# KiCad board distribution.kicad_pcb (continued)
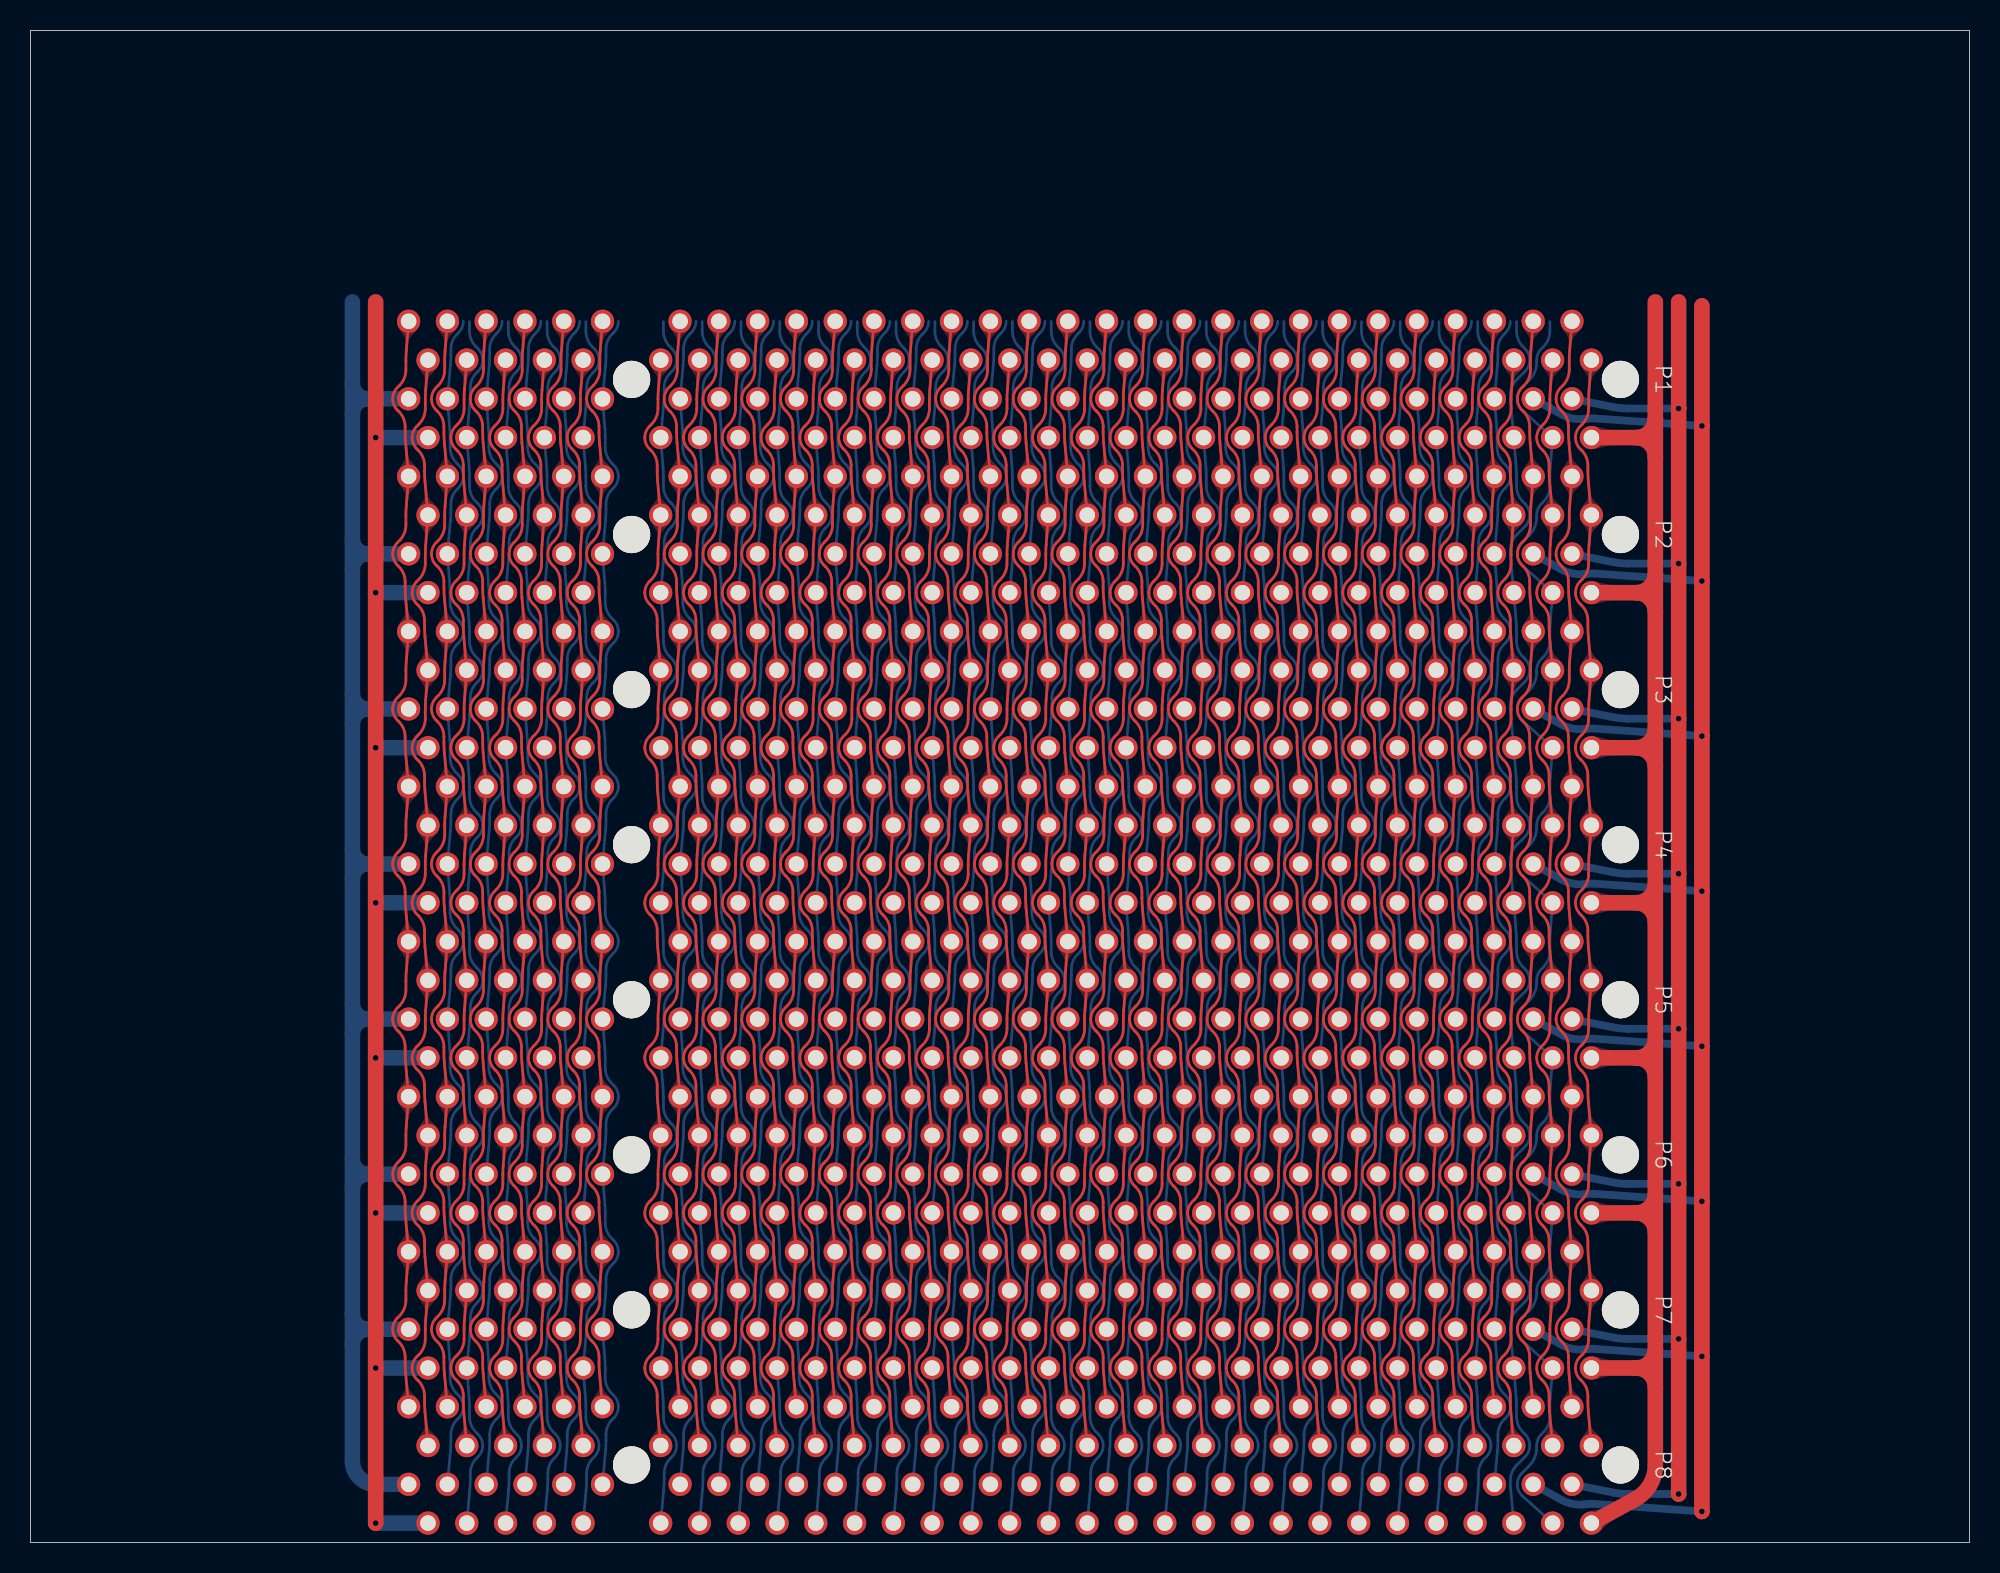
[diagram p0: board, top side]
## Routing (per net, layer and track width the routed paths; a pad name or vN(x,y) marks a point on that pad's centre or on a via; arc(x,y) is an arc through that point) (continued)
~{S2}: length 79.9
  Bottom w0.178: P8.A54 35.12,6.01 arc(35.15,6.35) 35.15,6.69 35.15,7.07 arc(35.26,7.6) 35.56,8.05 35.66,8.15 arc(35.89,8.49) 35.97,8.89 arc(35.89,9.29) 35.66,9.63 35.53,9.75 arc(35.22,10.23) 35.1,10.8 35.1,11.41 arc(35.1,11.71) 35.08,12.01 P7.A54 35.12,16.17 arc(35.15,16.51) 35.15,16.85 35.15,17.23 arc(35.26,17.76) 35.56,18.21 35.66,18.31 arc(35.89,18.65) 35.97,19.05 arc(35.89,19.45) 35.66,19.79 35.53,19.91 arc(35.22,20.39) 35.1,20.96 35.1,21.57 arc(35.1,21.87) 35.08,22.17 P6.A54 35.12,26.33 arc(35.15,26.67) 35.15,27.01 35.15,27.39 arc(35.26,27.92) 35.56,28.37 35.66,28.47 arc(35.89,28.81) 35.97,29.21 arc(35.89,29.61) 35.66,29.95 35.53,30.07 arc(35.22,30.55) 35.1,31.12 35.1,31.73 arc(35.1,32.03) 35.08,32.33 P5.A54 35.12,36.49 arc(35.15,36.83) 35.15,37.17 35.15,37.55 arc(35.26,38.08) 35.56,38.53 35.66,38.63 arc(35.89,38.97) 35.97,39.37 arc(35.89,39.77) 35.66,40.11 35.53,40.23 arc(35.22,40.71) 35.1,41.28 35.1,41.89 arc(35.1,42.19) 35.08,42.49 P4.A54 35.12,46.65 arc(35.15,46.99) 35.15,47.33 35.15,47.71 arc(35.26,48.24) 35.56,48.69 35.66,48.79 arc(35.89,49.13) 35.97,49.53 arc(35.89,49.93) 35.66,50.27 35.53,50.39 arc(35.22,50.87) 35.1,51.44 35.1,52.05 arc(35.1,52.35) 35.08,52.65 P3.A54 35.12,56.81 arc(35.15,57.15) 35.15,57.49 35.15,57.87 arc(35.26,58.4) 35.56,58.85 35.66,58.95 arc(35.89,59.29) 35.97,59.69 arc(35.89,60.09) 35.66,60.43 35.53,60.55 arc(35.22,61.03) 35.1,61.6 35.1,62.21 arc(35.1,62.51) 35.08,62.81 P2.A54 35.12,66.97 arc(35.15,67.31) 35.15,67.65 35.15,68.03 arc(35.26,68.56) 35.56,69.01 35.66,69.11 arc(35.89,69.45) 35.97,69.85 arc(35.89,70.25) 35.66,70.59 35.53,70.71 arc(35.22,71.19) 35.1,71.76 35.1,72.37 arc(35.1,72.67) 35.08,72.97 P1.A54 35.12,77.13 arc(35.15,77.47) 35.15,77.81 35.15,78.19 arc(35.26,78.72) 35.56,79.17 35.66,79.27 arc(35.89,79.61) 35.97,80.01
~{S3}: length 79.9
  Bottom w0.178: P8.A42 50.36,6.01 arc(50.39,6.35) 50.39,6.69 50.39,7.07 arc(50.5,7.6) 50.8,8.05 50.9,8.15 arc(51.13,8.49) 51.21,8.89 arc(51.13,9.29) 50.9,9.63 50.77,9.75 arc(50.46,10.23) 50.34,10.8 50.34,11.41 arc(50.34,11.71) 50.32,12.01 P7.A42 50.36,16.17 arc(50.39,16.51) 50.39,16.85 50.39,17.23 arc(50.5,17.76) 50.8,18.21 50.9,18.31 arc(51.13,18.65) 51.21,19.05 arc(51.13,19.45) 50.9,19.79 50.77,19.91 arc(50.46,20.39) 50.34,20.96 50.34,21.57 arc(50.34,21.87) 50.32,22.17 P6.A42 50.36,26.33 arc(50.39,26.67) 50.39,27.01 50.39,27.39 arc(50.5,27.92) 50.8,28.37 50.9,28.47 arc(51.13,28.81) 51.21,29.21 arc(51.13,29.61) 50.9,29.95 50.77,30.07 arc(50.46,30.55) 50.34,31.12 50.34,31.73 arc(50.34,32.03) 50.32,32.33 P5.A42 50.36,36.49 arc(50.39,36.83) 50.39,37.17 50.39,37.55 arc(50.5,38.08) 50.8,38.53 50.9,38.63 arc(51.13,38.97) 51.21,39.37 arc(51.13,39.77) 50.9,40.11 50.77,40.23 arc(50.46,40.71) 50.34,41.28 50.34,41.89 arc(50.34,42.19) 50.32,42.49 P4.A42 50.36,46.65 arc(50.39,46.99) 50.39,47.33 50.39,47.71 arc(50.5,48.24) 50.8,48.69 50.9,48.79 arc(51.13,49.13) 51.21,49.53 arc(51.13,49.93) 50.9,50.27 50.77,50.39 arc(50.46,50.87) 50.34,51.44 50.34,52.05 arc(50.34,52.35) 50.32,52.65 P3.A42 50.36,56.81 arc(50.39,57.15) 50.39,57.49 50.39,57.87 arc(50.5,58.4) 50.8,58.85 50.9,58.95 arc(51.13,59.29) 51.21,59.69 arc(51.13,60.09) 50.9,60.43 50.77,60.55 arc(50.46,61.03) 50.34,61.6 50.34,62.21 arc(50.34,62.51) 50.32,62.81 P2.A42 50.36,66.97 arc(50.39,67.31) 50.39,67.65 50.39,68.03 arc(50.5,68.56) 50.8,69.01 50.9,69.11 arc(51.13,69.45) 51.21,69.85 arc(51.13,70.25) 50.9,70.59 50.77,70.71 arc(50.46,71.19) 50.34,71.76 50.34,72.37 arc(50.34,72.67) 50.32,72.97 P1.A42 50.36,77.13 arc(50.39,77.47) 50.39,77.81 50.39,78.19 arc(50.5,78.72) 50.8,79.17 50.9,79.27 arc(51.13,79.61) 51.21,80.01
~{T3}: length 74.6
  Top w0.178: P8.B18 80.45,11.09 arc(80.42,11.43) 80.42,11.77 80.42,12.15 arc(80.31,12.68) 80.01,13.13 79.91,13.23 arc(79.68,13.57) 79.6,13.97 arc(79.68,14.37) 79.91,14.71 80.04,14.83 arc(80.35,15.31) 80.47,15.88 80.47,16.49 arc(80.47,16.79) 80.49,17.09 P7.B18 80.45,21.25 arc(80.42,21.59) 80.42,21.93 80.42,22.31 arc(80.31,22.84) 80.01,23.29 79.91,23.39 arc(79.68,23.73) 79.6,24.13 arc(79.68,24.53) 79.91,24.87 80.04,24.99 arc(80.35,25.47) 80.47,26.04 80.47,26.65 arc(80.47,26.95) 80.49,27.25 P6.B18 80.45,31.41 arc(80.42,31.75) 80.42,32.09 80.42,32.47 arc(80.31,33) 80.01,33.45 79.91,33.55 arc(79.68,33.89) 79.6,34.29 arc(79.68,34.69) 79.91,35.03 80.04,35.15 arc(80.35,35.63) 80.47,36.2 80.47,36.81 arc(80.47,37.11) 80.49,37.41 P5.B18 80.45,41.57 arc(80.42,41.91) 80.42,42.25 80.42,42.63 arc(80.31,43.16) 80.01,43.61 79.91,43.71 arc(79.68,44.05) 79.6,44.45 arc(79.68,44.85) 79.91,45.19 80.04,45.31 arc(80.35,45.79) 80.47,46.36 80.47,46.97 arc(80.47,47.27) 80.49,47.57 P4.B18 80.45,51.73 arc(80.42,52.07) 80.42,52.41 80.42,52.79 arc(80.31,53.32) 80.01,53.77 79.91,53.87 arc(79.68,54.21) 79.6,54.61 arc(79.68,55.01) 79.91,55.35 80.04,55.47 arc(80.35,55.95) 80.47,56.52 80.47,57.13 arc(80.47,57.43) 80.49,57.73 P3.B18 80.45,61.89 arc(80.42,62.23) 80.42,62.57 80.42,62.95 arc(80.31,63.48) 80.01,63.93 79.91,64.03 arc(79.68,64.37) 79.6,64.77 arc(79.68,65.17) 79.91,65.51 80.04,65.63 arc(80.35,66.11) 80.47,66.68 80.47,67.29 arc(80.47,67.59) 80.49,67.89 P2.B18 80.45,72.05 arc(80.42,72.39) 80.42,72.73 80.42,73.11 arc(80.31,73.64) 80.01,74.09 79.91,74.19 arc(79.68,74.53) 79.6,74.93 arc(79.68,75.33) 79.91,75.67 80.04,75.79 arc(80.35,76.27) 80.47,76.84 80.47,77.45 arc(80.47,77.75) 80.49,78.05 P1.B18
~{Tb1}: length 79.9
  Bottom w0.178: P8.A32 63.06,6.01 arc(63.09,6.35) 63.09,6.69 63.09,7.07 arc(63.2,7.6) 63.5,8.05 63.6,8.15 arc(63.83,8.49) 63.91,8.89 arc(63.83,9.29) 63.6,9.63 63.47,9.75 arc(63.16,10.23) 63.04,10.8 63.04,11.41 arc(63.04,11.71) 63.02,12.01 P7.A32 63.06,16.17 arc(63.09,16.51) 63.09,16.85 63.09,17.23 arc(63.2,17.76) 63.5,18.21 63.6,18.31 arc(63.83,18.65) 63.91,19.05 arc(63.83,19.45) 63.6,19.79 63.47,19.91 arc(63.16,20.39) 63.04,20.96 63.04,21.57 arc(63.04,21.87) 63.02,22.17 P6.A32 63.06,26.33 arc(63.09,26.67) 63.09,27.01 63.09,27.39 arc(63.2,27.92) 63.5,28.37 63.6,28.47 arc(63.83,28.81) 63.91,29.21 arc(63.83,29.61) 63.6,29.95 63.47,30.07 arc(63.16,30.55) 63.04,31.12 63.04,31.73 arc(63.04,32.03) 63.02,32.33 P5.A32 63.06,36.49 arc(63.09,36.83) 63.09,37.17 63.09,37.55 arc(63.2,38.08) 63.5,38.53 63.6,38.63 arc(63.83,38.97) 63.91,39.37 arc(63.83,39.77) 63.6,40.11 63.47,40.23 arc(63.16,40.71) 63.04,41.28 63.04,41.89 arc(63.04,42.19) 63.02,42.49 P4.A32 63.06,46.65 arc(63.09,46.99) 63.09,47.33 63.09,47.71 arc(63.2,48.24) 63.5,48.69 63.6,48.79 arc(63.83,49.13) 63.91,49.53 arc(63.83,49.93) 63.6,50.27 63.47,50.39 arc(63.16,50.87) 63.04,51.44 63.04,52.05 arc(63.04,52.35) 63.02,52.65 P3.A32 63.06,56.81 arc(63.09,57.15) 63.09,57.49 63.09,57.87 arc(63.2,58.4) 63.5,58.85 63.6,58.95 arc(63.83,59.29) 63.91,59.69 arc(63.83,60.09) 63.6,60.43 63.47,60.55 arc(63.16,61.03) 63.04,61.6 63.04,62.21 arc(63.04,62.51) 63.02,62.81 P2.A32 63.06,66.97 arc(63.09,67.31) 63.09,67.65 63.09,68.03 arc(63.2,68.56) 63.5,69.01 63.6,69.11 arc(63.83,69.45) 63.91,69.85 arc(63.83,70.25) 63.6,70.59 63.47,70.71 arc(63.16,71.19) 63.04,71.76 63.04,72.37 arc(63.04,72.67) 63.02,72.97 P1.A32 63.06,77.13 arc(63.09,77.47) 63.09,77.81 63.09,78.19 arc(63.2,78.72) 63.5,79.17 63.6,79.27 arc(63.83,79.61) 63.91,80.01
~{Tb2}: length 82.7
  Bottom w0.178: 64.14,1.27 64.33,3.47 arc(64.36,3.81) 64.36,4.15 64.36,4.53 arc(64.47,5.06) 64.77,5.51 64.87,5.61 arc(65.1,5.95) 65.18,6.35 arc(65.1,6.75) 64.87,7.09 64.74,7.21 arc(64.43,7.69) 64.31,8.26 64.31,8.87 arc(64.31,9.17) 64.29,9.47 64.14,11.43 64.33,13.63 arc(64.36,13.97) 64.36,14.31 64.36,14.69 arc(64.47,15.22) 64.77,15.67 64.87,15.77 arc(65.1,16.11) 65.18,16.51 arc(65.1,16.91) 64.87,17.25 64.74,17.37 arc(64.43,17.85) 64.31,18.42 64.31,19.03 arc(64.31,19.33) 64.29,19.63 64.14,21.59 64.33,23.79 arc(64.36,24.13) 64.36,24.47 64.36,24.85 arc(64.47,25.38) 64.77,25.83 64.87,25.93 arc(65.1,26.27) 65.18,26.67 arc(65.1,27.07) 64.87,27.41 64.74,27.53 arc(64.43,28.01) 64.31,28.58 64.31,29.19 arc(64.31,29.49) 64.29,29.79 64.14,31.75 64.33,33.95 arc(64.36,34.29) 64.36,34.63 64.36,35.01 arc(64.47,35.54) 64.77,35.99 64.87,36.09 arc(65.1,36.43) 65.18,36.83 arc(65.1,37.23) 64.87,37.57 64.74,37.69 arc(64.43,38.17) 64.31,38.74 64.31,39.35 arc(64.31,39.65) 64.29,39.95 64.14,41.91 64.33,44.11 arc(64.36,44.45) 64.36,44.79 64.36,45.17 arc(64.47,45.7) 64.77,46.15 64.87,46.25 arc(65.1,46.59) 65.18,46.99 arc(65.1,47.39) 64.87,47.73 64.74,47.85 arc(64.43,48.33) 64.31,48.9 64.31,49.51 arc(64.31,49.81) 64.29,50.11 64.14,52.07 64.33,54.27 arc(64.36,54.61) 64.36,54.95 64.36,55.33 arc(64.47,55.86) 64.77,56.31 64.87,56.41 arc(65.1,56.75) 65.18,57.15 arc(65.1,57.55) 64.87,57.89 64.74,58.01 arc(64.43,58.49) 64.31,59.06 64.31,59.67 arc(64.31,59.97) 64.29,60.27 64.14,62.23 64.33,64.43 arc(64.36,64.77) 64.36,65.11 64.36,65.49 arc(64.47,66.02) 64.77,66.47 64.87,66.57 arc(65.1,66.91) 65.18,67.31 arc(65.1,67.71) 64.87,68.05 64.74,68.17 arc(64.43,68.65) 64.31,69.22 64.31,69.83 arc(64.31,70.13) 64.29,70.43 64.14,72.39 64.33,74.59 arc(64.36,74.93) 64.36,75.27 64.36,75.65 arc(64.47,76.18) 64.77,76.63 64.87,76.73 arc(65.1,77.07) 65.18,77.47 arc(65.1,77.87) 64.87,78.21 64.74,78.33 arc(64.43,78.81) 64.31,79.38 64.31,79.99
~{Tb3}: length 79.9
  Bottom w0.178: P8.A34 60.52,6.01 arc(60.55,6.35) 60.55,6.69 60.55,7.07 arc(60.66,7.6) 60.96,8.05 61.06,8.15 arc(61.29,8.49) 61.37,8.89 arc(61.29,9.29) 61.06,9.63 60.93,9.75 arc(60.62,10.23) 60.5,10.8 60.5,11.41 arc(60.5,11.71) 60.48,12.01 P7.A34 60.52,16.17 arc(60.55,16.51) 60.55,16.85 60.55,17.23 arc(60.66,17.76) 60.96,18.21 61.06,18.31 arc(61.29,18.65) 61.37,19.05 arc(61.29,19.45) 61.06,19.79 60.93,19.91 arc(60.62,20.39) 60.5,20.96 60.5,21.57 arc(60.5,21.87) 60.48,22.17 P6.A34 60.52,26.33 arc(60.55,26.67) 60.55,27.01 60.55,27.39 arc(60.66,27.92) 60.96,28.37 61.06,28.47 arc(61.29,28.81) 61.37,29.21 arc(61.29,29.61) 61.06,29.95 60.93,30.07 arc(60.62,30.55) 60.5,31.12 60.5,31.73 arc(60.5,32.03) 60.48,32.33 P5.A34 60.52,36.49 arc(60.55,36.83) 60.55,37.17 60.55,37.55 arc(60.66,38.08) 60.96,38.53 61.06,38.63 arc(61.29,38.97) 61.37,39.37 arc(61.29,39.77) 61.06,40.11 60.93,40.23 arc(60.62,40.71) 60.5,41.28 60.5,41.89 arc(60.5,42.19) 60.48,42.49 P4.A34 60.52,46.65 arc(60.55,46.99) 60.55,47.33 60.55,47.71 arc(60.66,48.24) 60.96,48.69 61.06,48.79 arc(61.29,49.13) 61.37,49.53 arc(61.29,49.93) 61.06,50.27 60.93,50.39 arc(60.62,50.87) 60.5,51.44 60.5,52.05 arc(60.5,52.35) 60.48,52.65 P3.A34 60.52,56.81 arc(60.55,57.15) 60.55,57.49 60.55,57.87 arc(60.66,58.4) 60.96,58.85 61.06,58.95 arc(61.29,59.29) 61.37,59.69 arc(61.29,60.09) 61.06,60.43 60.93,60.55 arc(60.62,61.03) 60.5,61.6 60.5,62.21 arc(60.5,62.51) 60.48,62.81 P2.A34 60.52,66.97 arc(60.55,67.31) 60.55,67.65 60.55,68.03 arc(60.66,68.56) 60.96,69.01 61.06,69.11 arc(61.29,69.45) 61.37,69.85 arc(61.29,70.25) 61.06,70.59 60.93,70.71 arc(60.62,71.19) 60.5,71.76 60.5,72.37 arc(60.5,72.67) 60.48,72.97 P1.A34 60.52,77.13 arc(60.55,77.47) 60.55,77.81 60.55,78.19 arc(60.66,78.72) 60.96,79.17 61.06,79.27 arc(61.29,79.61) 61.37,80.01
~{Tb4}: length 82.7
  Bottom w0.178: P8.A35 59.25,3.47 arc(59.28,3.81) 59.28,4.15 59.28,4.53 arc(59.39,5.06) 59.69,5.51 59.79,5.61 arc(60.02,5.95) 60.1,6.35 arc(60.02,6.75) 59.79,7.09 59.66,7.21 arc(59.35,7.69) 59.23,8.26 59.23,8.87 arc(59.23,9.17) 59.21,9.47 P7.A35 59.25,13.63 arc(59.28,13.97) 59.28,14.31 59.28,14.69 arc(59.39,15.22) 59.69,15.67 59.79,15.77 arc(60.02,16.11) 60.1,16.51 arc(60.02,16.91) 59.79,17.25 59.66,17.37 arc(59.35,17.85) 59.23,18.42 59.23,19.03 arc(59.23,19.33) 59.21,19.63 P6.A35 59.25,23.79 arc(59.28,24.13) 59.28,24.47 59.28,24.85 arc(59.39,25.38) 59.69,25.83 59.79,25.93 arc(60.02,26.27) 60.1,26.67 arc(60.02,27.07) 59.79,27.41 59.66,27.53 arc(59.35,28.01) 59.23,28.58 59.23,29.19 arc(59.23,29.49) 59.21,29.79 P5.A35 59.25,33.95 arc(59.28,34.29) 59.28,34.63 59.28,35.01 arc(59.39,35.54) 59.69,35.99 59.79,36.09 arc(60.02,36.43) 60.1,36.83 arc(60.02,37.23) 59.79,37.57 59.66,37.69 arc(59.35,38.17) 59.23,38.74 59.23,39.35 arc(59.23,39.65) 59.21,39.95 P4.A35 59.25,44.11 arc(59.28,44.45) 59.28,44.79 59.28,45.17 arc(59.39,45.7) 59.69,46.15 59.79,46.25 arc(60.02,46.59) 60.1,46.99 arc(60.02,47.39) 59.79,47.73 59.66,47.85 arc(59.35,48.33) 59.23,48.9 59.23,49.51 arc(59.23,49.81) 59.21,50.11 P3.A35 59.25,54.27 arc(59.28,54.61) 59.28,54.95 59.28,55.33 arc(59.39,55.86) 59.69,56.31 59.79,56.41 arc(60.02,56.75) 60.1,57.15 arc(60.02,57.55) 59.79,57.89 59.66,58.01 arc(59.35,58.49) 59.23,59.06 59.23,59.67 arc(59.23,59.97) 59.21,60.27 P2.A35 59.25,64.43 arc(59.28,64.77) 59.28,65.11 59.28,65.49 arc(59.39,66.02) 59.69,66.47 59.79,66.57 arc(60.02,66.91) 60.1,67.31 arc(60.02,67.71) 59.79,68.05 59.66,68.17 arc(59.35,68.65) 59.23,69.22 59.23,69.83 arc(59.23,70.13) 59.21,70.43 P1.A35 59.25,74.59 arc(59.28,74.93) 59.28,75.27 59.28,75.65 arc(59.39,76.18) 59.69,76.63 59.79,76.73 arc(60.02,77.07) 60.1,77.47 arc(60.02,77.87) 59.79,78.21 59.66,78.33 arc(59.35,78.81) 59.23,79.38 59.23,79.99
~{To}: length 74.6
  Top w0.178: P8.B49 41.08,8.55 arc(41.05,8.89) 41.05,9.23 41.05,9.61 arc(40.94,10.14) 40.64,10.59 40.54,10.69 arc(40.31,11.03) 40.23,11.43 arc(40.31,11.83) 40.54,12.17 40.67,12.29 arc(40.98,12.77) 41.1,13.34 41.1,13.95 arc(41.1,14.25) 41.12,14.55 P7.B49 41.08,18.71 arc(41.05,19.05) 41.05,19.39 41.05,19.77 arc(40.94,20.3) 40.64,20.75 40.54,20.85 arc(40.31,21.19) 40.23,21.59 arc(40.31,21.99) 40.54,22.33 40.67,22.45 arc(40.98,22.93) 41.1,23.5 41.1,24.11 arc(41.1,24.41) 41.12,24.71 P6.B49 41.08,28.87 arc(41.05,29.21) 41.05,29.55 41.05,29.93 arc(40.94,30.46) 40.64,30.91 40.54,31.01 arc(40.31,31.35) 40.23,31.75 arc(40.31,32.15) 40.54,32.49 40.67,32.61 arc(40.98,33.09) 41.1,33.66 41.1,34.27 arc(41.1,34.57) 41.12,34.87 P5.B49 41.08,39.03 arc(41.05,39.37) 41.05,39.71 41.05,40.09 arc(40.94,40.62) 40.64,41.07 40.54,41.17 arc(40.31,41.51) 40.23,41.91 arc(40.31,42.31) 40.54,42.65 40.67,42.77 arc(40.98,43.25) 41.1,43.82 41.1,44.43 arc(41.1,44.73) 41.12,45.03 P4.B49 41.08,49.19 arc(41.05,49.53) 41.05,49.87 41.05,50.25 arc(40.94,50.78) 40.64,51.23 40.54,51.33 arc(40.31,51.67) 40.23,52.07 arc(40.31,52.47) 40.54,52.81 40.67,52.93 arc(40.98,53.41) 41.1,53.98 41.1,54.59 arc(41.1,54.89) 41.12,55.19 P3.B49 41.08,59.35 arc(41.05,59.69) 41.05,60.03 41.05,60.41 arc(40.94,60.94) 40.64,61.39 40.54,61.49 arc(40.31,61.83) 40.23,62.23 arc(40.31,62.63) 40.54,62.97 40.67,63.09 arc(40.98,63.57) 41.1,64.14 41.1,64.75 arc(41.1,65.05) 41.12,65.35 P2.B49 41.08,69.51 arc(41.05,69.85) 41.05,70.19 41.05,70.57 arc(40.94,71.1) 40.64,71.55 40.54,71.65 arc(40.31,71.99) 40.23,72.39 arc(40.31,72.79) 40.54,73.13 40.67,73.25 arc(40.98,73.73) 41.1,74.3 41.1,74.91 arc(41.1,75.21) 41.12,75.51 P1.B49
~{V}: length 79.9
  Bottom w0.178: P8.A22 75.76,6.01 arc(75.79,6.35) 75.79,6.69 75.79,7.07 arc(75.9,7.6) 76.2,8.05 76.3,8.15 arc(76.53,8.49) 76.61,8.89 arc(76.53,9.29) 76.3,9.63 76.17,9.75 arc(75.86,10.23) 75.74,10.8 75.74,11.41 arc(75.74,11.71) 75.72,12.01 P7.A22 75.76,16.17 arc(75.79,16.51) 75.79,16.85 75.79,17.23 arc(75.9,17.76) 76.2,18.21 76.3,18.31 arc(76.53,18.65) 76.61,19.05 arc(76.53,19.45) 76.3,19.79 76.17,19.91 arc(75.86,20.39) 75.74,20.96 75.74,21.57 arc(75.74,21.87) 75.72,22.17 P6.A22 75.76,26.33 arc(75.79,26.67) 75.79,27.01 75.79,27.39 arc(75.9,27.92) 76.2,28.37 76.3,28.47 arc(76.53,28.81) 76.61,29.21 arc(76.53,29.61) 76.3,29.95 76.17,30.07 arc(75.86,30.55) 75.74,31.12 75.74,31.73 arc(75.74,32.03) 75.72,32.33 P5.A22 75.76,36.49 arc(75.79,36.83) 75.79,37.17 75.79,37.55 arc(75.9,38.08) 76.2,38.53 76.3,38.63 arc(76.53,38.97) 76.61,39.37 arc(76.53,39.77) 76.3,40.11 76.17,40.23 arc(75.86,40.71) 75.74,41.28 75.74,41.89 arc(75.74,42.19) 75.72,42.49 P4.A22 75.76,46.65 arc(75.79,46.99) 75.79,47.33 75.79,47.71 arc(75.9,48.24) 76.2,48.69 76.3,48.79 arc(76.53,49.13) 76.61,49.53 arc(76.53,49.93) 76.3,50.27 76.17,50.39 arc(75.86,50.87) 75.74,51.44 75.74,52.05 arc(75.74,52.35) 75.72,52.65 P3.A22 75.76,56.81 arc(75.79,57.15) 75.79,57.49 75.79,57.87 arc(75.9,58.4) 76.2,58.85 76.3,58.95 arc(76.53,59.29) 76.61,59.69 arc(76.53,60.09) 76.3,60.43 76.17,60.55 arc(75.86,61.03) 75.74,61.6 75.74,62.21 arc(75.74,62.51) 75.72,62.81 P2.A22 75.76,66.97 arc(75.79,67.31) 75.79,67.65 75.79,68.03 arc(75.9,68.56) 76.2,69.01 76.3,69.11 arc(76.53,69.45) 76.61,69.85 arc(76.53,70.25) 76.3,70.59 76.17,70.71 arc(75.86,71.19) 75.74,71.76 75.74,72.37 arc(75.74,72.67) 75.72,72.97 P1.A22 75.76,77.13 arc(75.79,77.47) 75.79,77.81 75.79,78.19 arc(75.9,78.72) 76.2,79.17 76.3,79.27 arc(76.53,79.61) 76.61,80.01
~{W}: length 79.9
  Bottom w0.178: P8.A60 27.5,6.01 arc(27.53,6.35) 27.53,6.69 27.53,7.07 arc(27.64,7.6) 27.94,8.05 28.04,8.15 arc(28.27,8.49) 28.35,8.89 arc(28.27,9.29) 28.04,9.63 27.91,9.75 arc(27.6,10.23) 27.48,10.8 27.48,11.41 arc(27.48,11.71) 27.46,12.01 P7.A60 27.5,16.17 arc(27.53,16.51) 27.53,16.85 27.53,17.23 arc(27.64,17.76) 27.94,18.21 28.04,18.31 arc(28.27,18.65) 28.35,19.05 arc(28.27,19.45) 28.04,19.79 27.91,19.91 arc(27.6,20.39) 27.48,20.96 27.48,21.57 arc(27.48,21.87) 27.46,22.17 P6.A60 27.5,26.33 arc(27.53,26.67) 27.53,27.01 27.53,27.39 arc(27.64,27.92) 27.94,28.37 28.04,28.47 arc(28.27,28.81) 28.35,29.21 arc(28.27,29.61) 28.04,29.95 27.91,30.07 arc(27.6,30.55) 27.48,31.12 27.48,31.73 arc(27.48,32.03) 27.46,32.33 P5.A60 27.5,36.49 arc(27.53,36.83) 27.53,37.17 27.53,37.55 arc(27.64,38.08) 27.94,38.53 28.04,38.63 arc(28.27,38.97) 28.35,39.37 arc(28.27,39.77) 28.04,40.11 27.91,40.23 arc(27.6,40.71) 27.48,41.28 27.48,41.89 arc(27.48,42.19) 27.46,42.49 P4.A60 27.5,46.65 arc(27.53,46.99) 27.53,47.33 27.53,47.71 arc(27.64,48.24) 27.94,48.69 28.04,48.79 arc(28.27,49.13) 28.35,49.53 arc(28.27,49.93) 28.04,50.27 27.91,50.39 arc(27.6,50.87) 27.48,51.44 27.48,52.05 arc(27.48,52.35) 27.46,52.65 P3.A60 27.5,56.81 arc(27.53,57.15) 27.53,57.49 27.53,57.87 arc(27.64,58.4) 27.94,58.85 28.04,58.95 arc(28.27,59.29) 28.35,59.69 arc(28.27,60.09) 28.04,60.43 27.91,60.55 arc(27.6,61.03) 27.48,61.6 27.48,62.21 arc(27.48,62.51) 27.46,62.81 P2.A60 27.5,66.97 arc(27.53,67.31) 27.53,67.65 27.53,68.03 arc(27.64,68.56) 27.94,69.01 28.04,69.11 arc(28.27,69.45) 28.35,69.85 arc(28.27,70.25) 28.04,70.59 27.91,70.71 arc(27.6,71.19) 27.48,71.76 27.48,72.37 arc(27.48,72.67) 27.46,72.97 P1.A60 27.5,77.13 arc(27.53,77.47) 27.53,77.81 27.53,78.19 arc(27.64,78.72) 27.94,79.17 28.04,79.27 arc(28.27,79.61) 28.35,80.01
α9: length 74.6
  Top w0.178: 43.81,77.47 43.66,75.51 arc(43.64,75.21) 43.64,74.91 43.64,74.3 arc(43.52,73.73) 43.21,73.25 43.08,73.13 arc(42.85,72.79) 42.77,72.39 arc(42.85,71.99) 43.08,71.65 43.18,71.55 arc(43.48,71.1) 43.59,70.57 43.59,70.19 arc(43.59,69.85) 43.62,69.51 43.81,67.31 43.66,65.35 arc(43.64,65.05) 43.64,64.75 43.64,64.14 arc(43.52,63.57) 43.21,63.09 43.08,62.97 arc(42.85,62.63) 42.77,62.23 arc(42.85,61.83) 43.08,61.49 43.18,61.39 arc(43.48,60.94) 43.59,60.41 43.59,60.03 arc(43.59,59.69) 43.62,59.35 43.81,57.15 43.66,55.19 arc(43.64,54.89) 43.64,54.59 43.64,53.98 arc(43.52,53.41) 43.21,52.93 43.08,52.81 arc(42.85,52.47) 42.77,52.07 arc(42.85,51.67) 43.08,51.33 43.18,51.23 arc(43.48,50.78) 43.59,50.25 43.59,49.87 arc(43.59,49.53) 43.62,49.19 43.81,46.99 43.66,45.03 arc(43.64,44.73) 43.64,44.43 43.64,43.82 arc(43.52,43.25) 43.21,42.77 43.08,42.65 arc(42.85,42.31) 42.77,41.91 arc(42.85,41.51) 43.08,41.17 43.18,41.07 arc(43.48,40.62) 43.59,40.09 43.59,39.71 arc(43.59,39.37) 43.62,39.03 43.81,36.83 43.66,34.87 arc(43.64,34.57) 43.64,34.27 43.64,33.66 arc(43.52,33.09) 43.21,32.61 43.08,32.49 arc(42.85,32.15) 42.77,31.75 arc(42.85,31.35) 43.08,31.01 43.18,30.91 arc(43.48,30.46) 43.59,29.93 43.59,29.55 arc(43.59,29.21) 43.62,28.87 43.81,26.67 43.66,24.71 arc(43.64,24.41) 43.64,24.11 43.64,23.5 arc(43.52,22.93) 43.21,22.45 43.08,22.33 arc(42.85,21.99) 42.77,21.59 arc(42.85,21.19) 43.08,20.85 43.18,20.75 arc(43.48,20.3) 43.59,19.77 43.59,19.39 arc(43.59,19.05) 43.62,18.71 43.81,16.51 43.66,14.55 arc(43.64,14.25) 43.64,13.95 43.64,13.34 arc(43.52,12.77) 43.21,12.29 43.08,12.17 arc(42.85,11.83) 42.77,11.43 arc(42.85,11.03) 43.08,10.69 43.18,10.59 arc(43.48,10.14) 43.59,9.61 43.59,9.23 arc(43.59,8.89) 43.62,8.55 43.81,6.35

Small or netless copper shapes (teardrops, artwork), in the pictures only: 848 on Top, 873 on Bottom
